# Altium PCB Isolation.PcbDoc
Units mm, origin at the board's own origin, x right, y up, seen from the top; angles counter-clockwise.
Board outline 100 x 100 mm, 2 copper layers (Top Layer, Bottom Layer); 11 components, 7 nets, 36 pads, 1 vias.
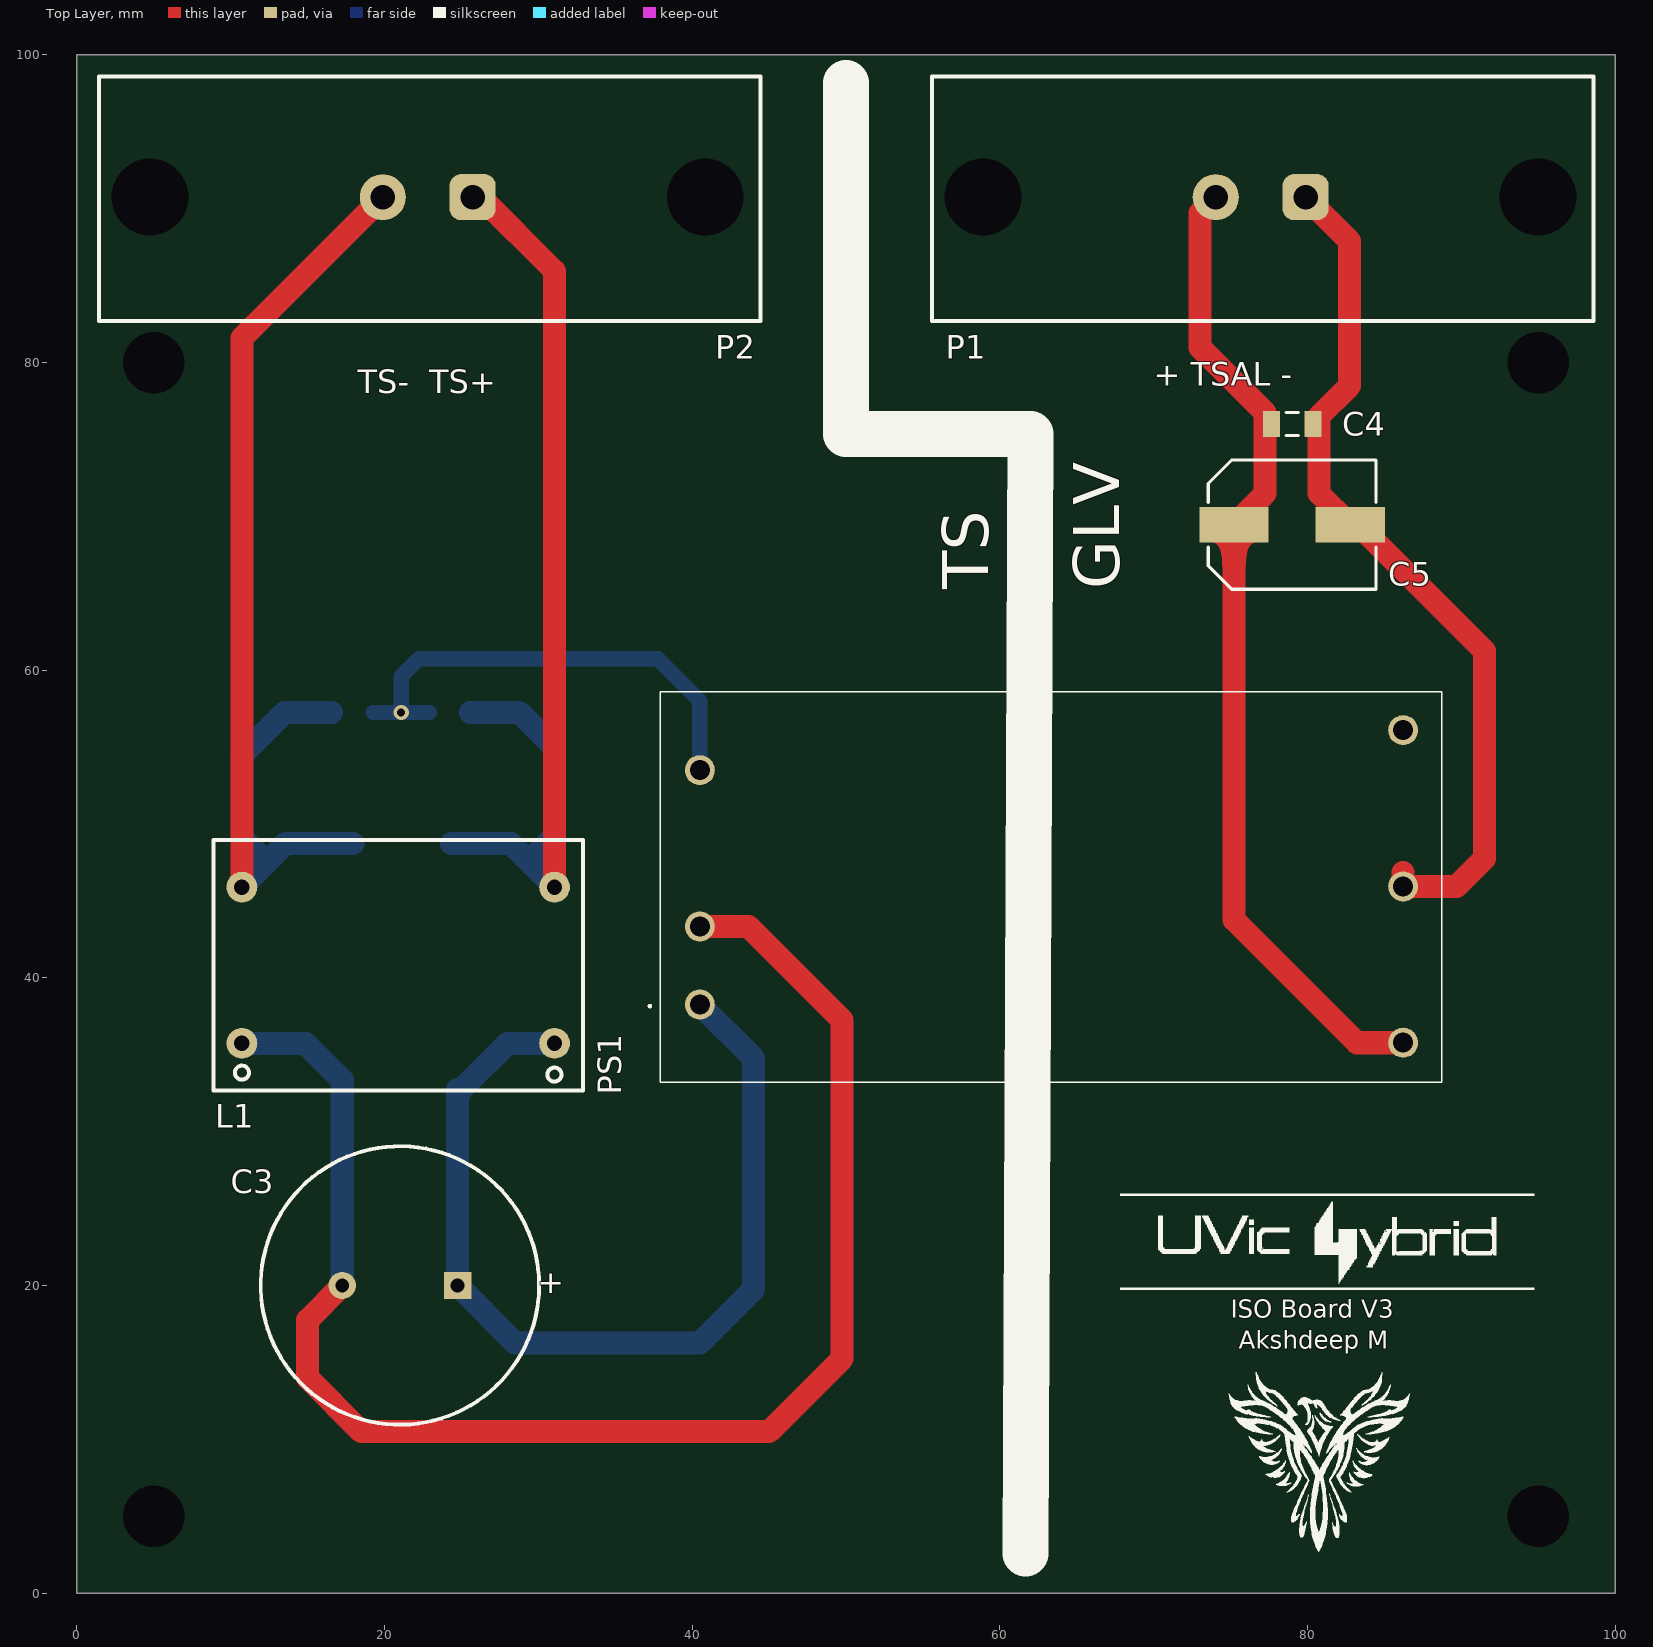
[diagram p0: Top Layer view]
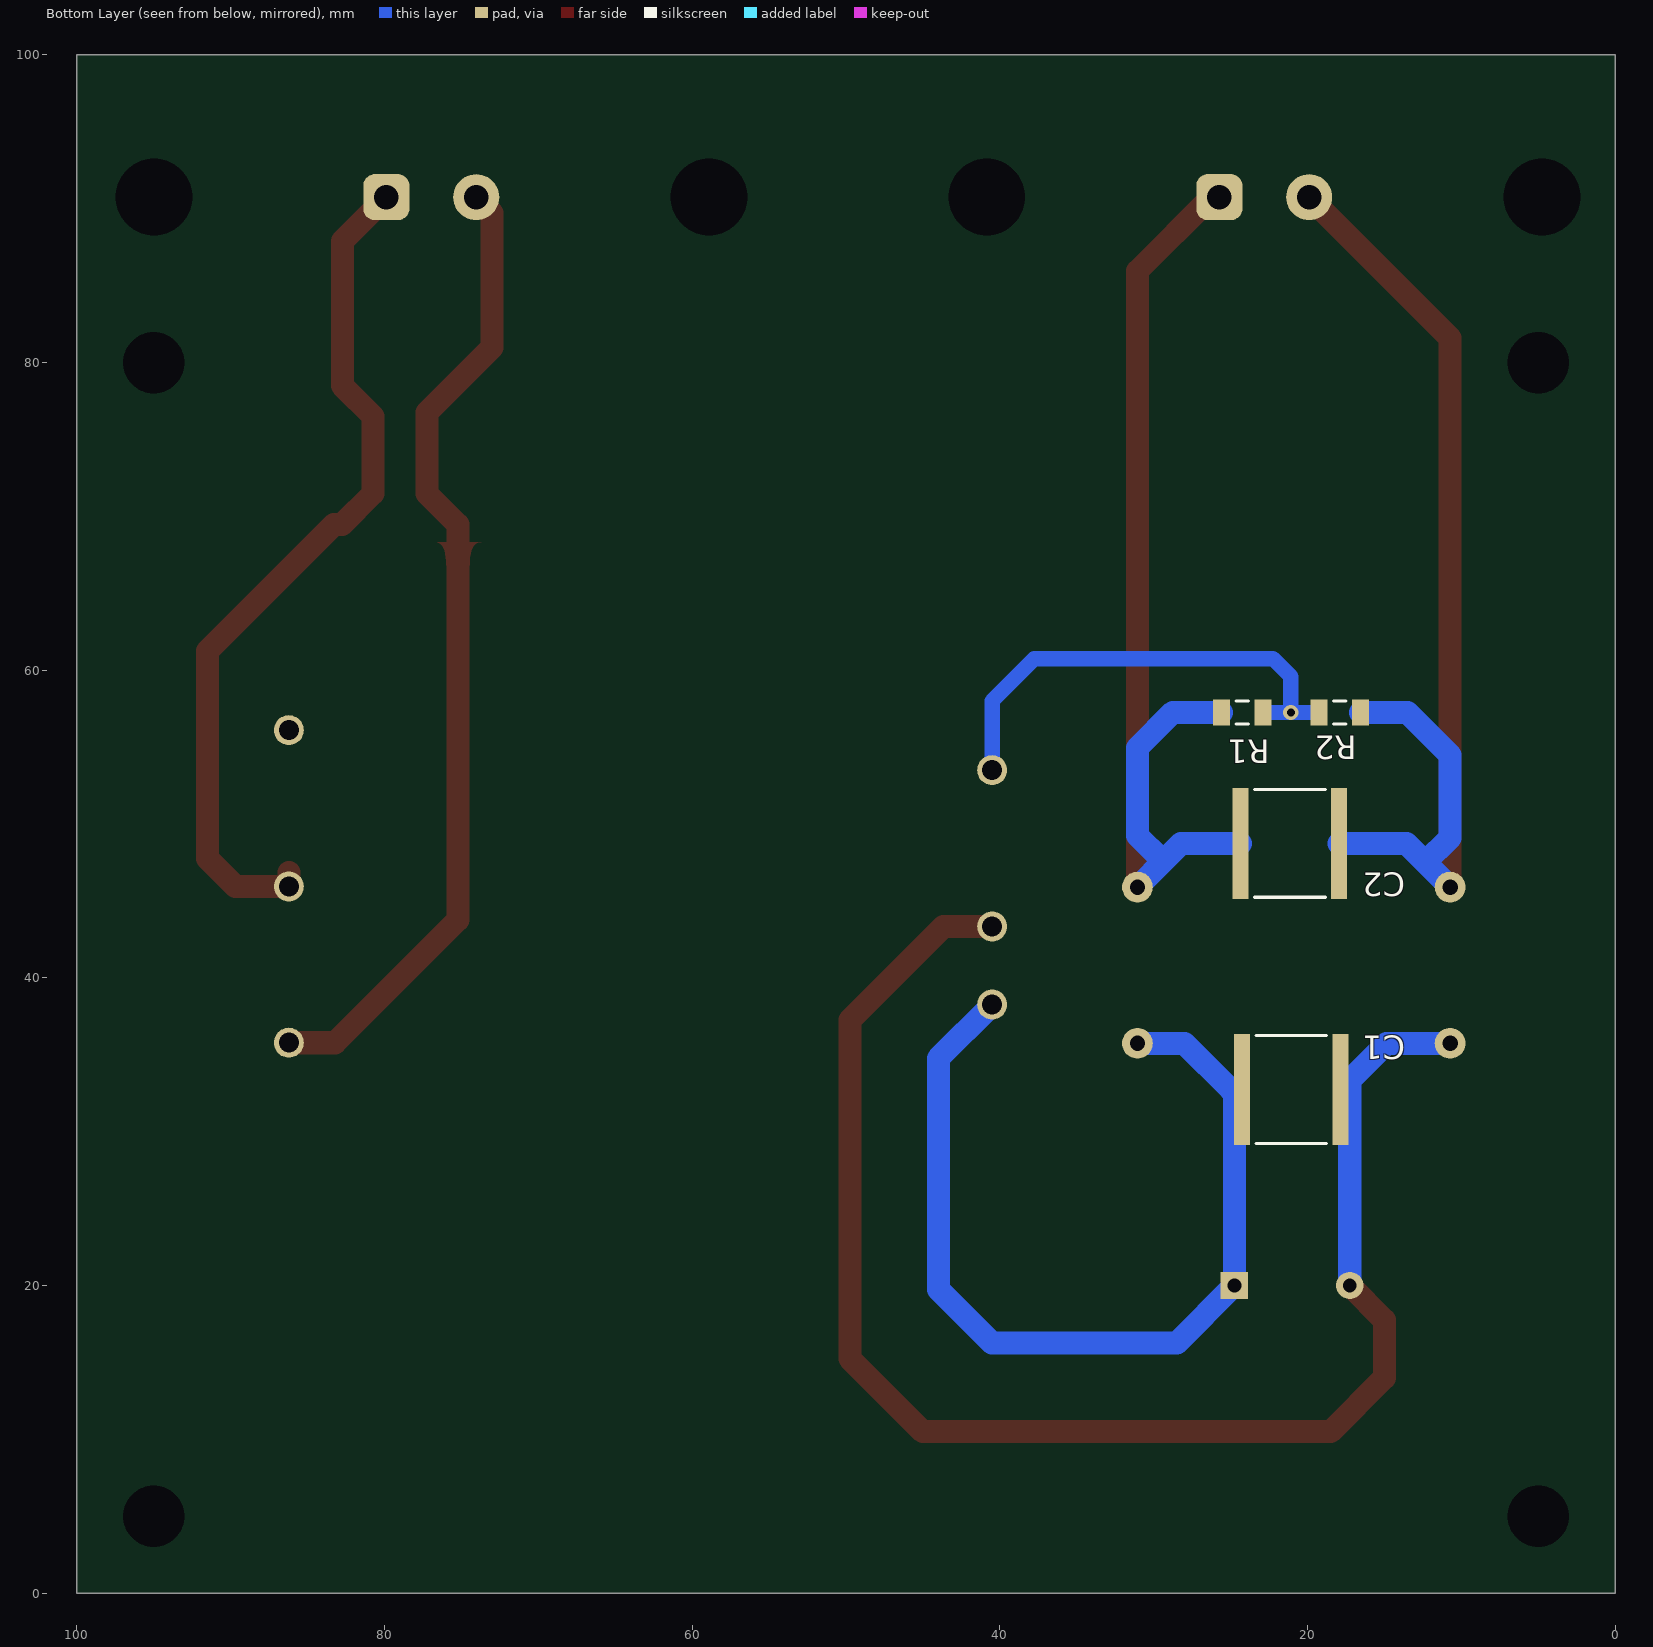
[diagram p1: Bottom Layer view, seen from below]
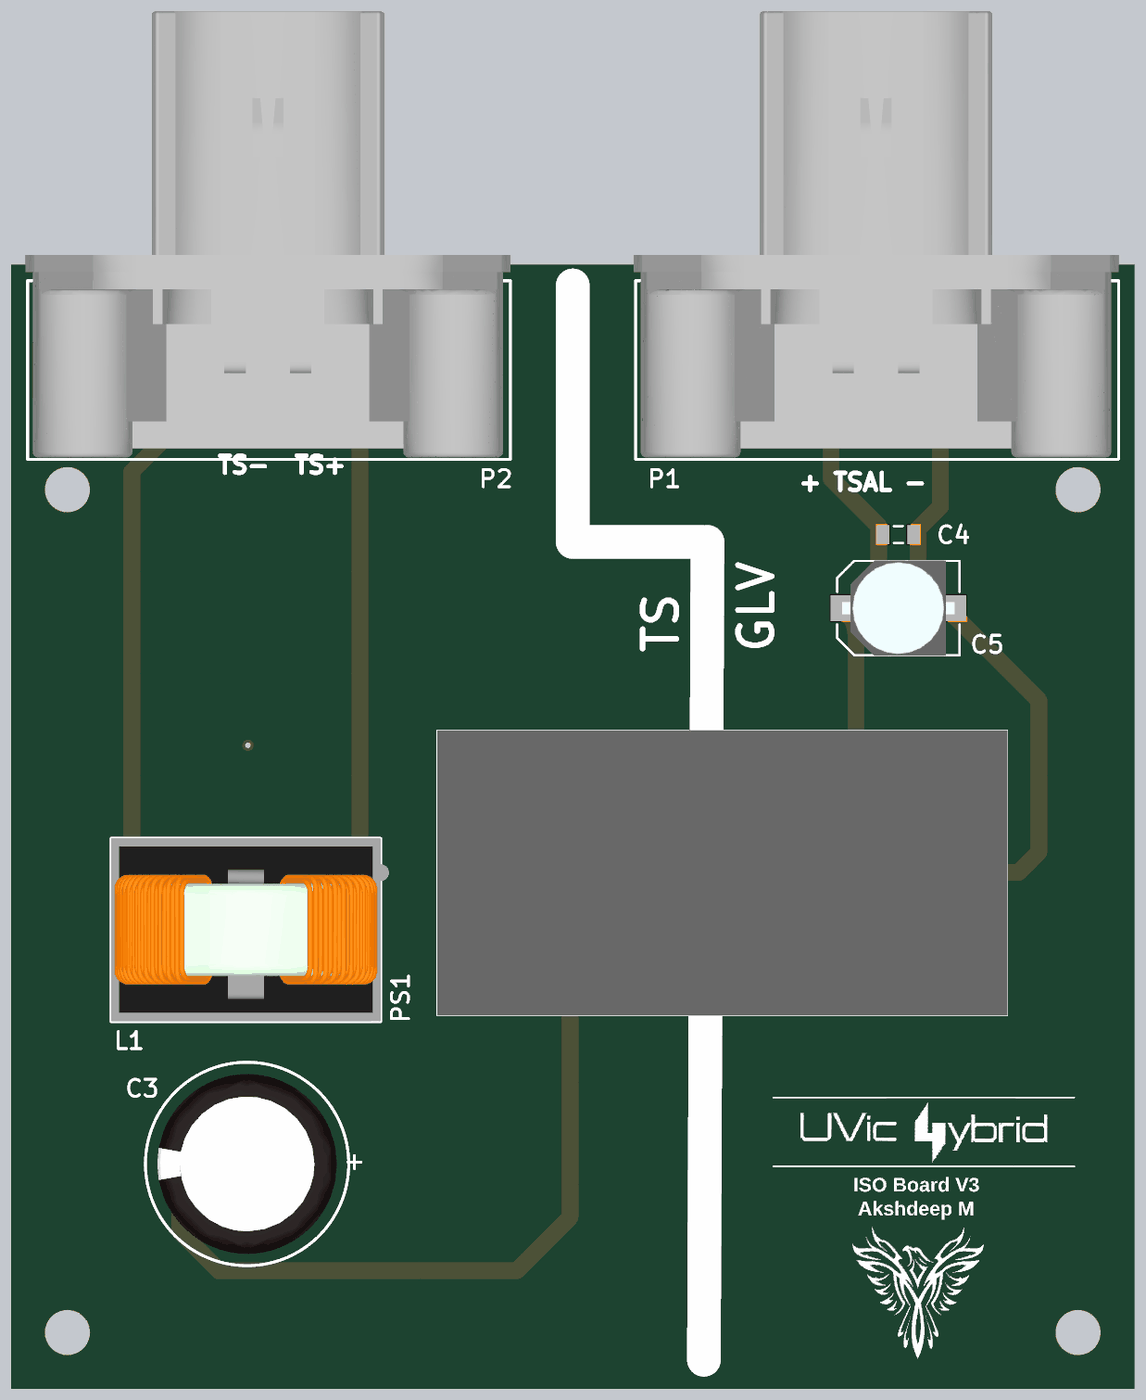
[diagram p2: 3D render of the assembled board from above, using the file's embedded part models]

## Layer stack, top to bottom
Top Solder: solder mask 0.0102, Solder Resist, Dk 3.5
Top Layer: signal copper 0.0356
Dielectric 1: dielectric 0.32, FR-4, Dk 4.8
Bottom Layer: signal copper 0.0356
Bottom Solder: solder mask 0.0102, Solder Resist, Dk 3.5

## Board outline
0,0 0,100 100,100 100,0

## Design rules (kind name [scope] priority, off if disabled: settings)
Clearance Clearance_2 [InNamedPolygon('GND TS') vs InNet('NetR9_2')] p1: gap=2.5 ignorepadtopadclearanceinfootprint=FALSE except(0: Arc-Arc Arc-Track Arc-SMDPad Track-Track Track-SMDPad SMDPad-SMDPad)
Clearance Clearance_1 [InNamedPolygon('GND TS') vs InNet('NetC3_1')] p2: gap=2.5 ignorepadtopadclearanceinfootprint=FALSE
Clearance [InNamedPolygon('GND TS') vs InNet('TS+')] p3: gap=2.5 ignorepadtopadclearanceinfootprint=FALSE
Clearance "Plane rule 1" [All] p4: gap=1.25 ignorepadtopadclearanceinfootprint=TRUE except(0: Arc-Hole Track-Hole THPad-Hole Via-Hole Fill-Hole Poly-Hole Region-Hole Text-Hole; 0.254: Arc-Text Track-Text SMDPad-Text THPad-Text Via-Text Fill-Text Poly-Text Region-Text Text-Text; 0.5: SMDPad-SMDPad SMDPad-THPad SMDPad-Via SMDPad-Hole)
Height [All] p1: minheight=0 maxheight=50 prefheight=12.7
HoleSize [All] p1: absolutevalues=TRUE maxlimit=4 minlimit=0.025 maxpercent=80.000 minpercent=20.000
PlaneClearance [All] p1: clearance=0.1
PlaneConnect [All] p1: planeconnectstyle=Relief reliefexpansion=1.5 reliefentries=4 reliefconductorwidth=1.5 reliefairgap=1.5
PolygonConnect PolygonConnect_1 [All vs InNet('GND')] p1: thpad.connectstyle=Direct thpad.reliefconductorwidth=0.254 thpad.reliefentries=4 thpad.polygonreliefangle="90 Angle" thpad.airgapwidth=0.254 smdpad.connectstyle=Direct smdpad.reliefconductorwidth=0.254 smdpad.reliefentries=4 smdpad.polygonreliefangle="90 Angle" smdpad.airgapwidth=0.254 via.connectstyle=Relief via.reliefconductorwidth=0.254 via.reliefentries=4 via.polygonreliefangle="90 Angle" via.airgapwidth=0.254
PolygonConnect [All] p2: connectstyle=NoConnect reliefconductorwidth=0.254 reliefentries=4 polygonreliefangle="90 Angle" airgapwidth=0.254
RoutingVias [All] p1: holewidth=0.5 width=2 viastyle="Through Hole" minholewidth=0.5 minwidth=1.5 maxholewidth=1 maxwidth=2.5
SilkToSolderMaskClearance [IsPad] p1: minsilkscreentomaskgap=0.2 clearancetoexposedcopper=TRUE
SolderMaskExpansion [All] p1: expansion=0.102
UnpouredPolygon [All] p1: allowunpoured=TRUE allowshelved=TRUE
Width [All] p1: maxlimit=2.5 minlimit=1 preferedwidth=1.5
24 further rules are at their usual default settings.

## Components (designator, comment, footprint, x,y, rotation, side; value= is the part's Value field where it differs from the comment)
C1 "C0603" "2225 Package" 21.05,32.74 r0 bottom value=1uF
C2 "C0603" "2225 Package" 21.143,48.74 r0 bottom value=1uF
C3 "100uF" NichiconCAP 21,20 r180 top
C4 "C0603" C1206 79,76 r180 top value=0.1uF
C5 "220uF" EEE-1VA221UP 79,69.46 r0 top
L1 "10mH" 52106C 10.73,35.74 r0 top
P1 "19427-0040" "MX150L 2pin" 55.6,82.698 r0 top
P2 "19427-0040" "MX150L 2pin" 1.45,82.698 r0 top
PS1 "EC7BW-110S12" EC7BW110S12 40.5,38.26 r90 top
R1 "20k" C1206 24.25,57.25 r0 bottom
R2 "20k" C1206 17.9,57.25 r0 bottom

## Footprints (in the part's own frame and the unit in brackets; to place one, negate y for a bottom-side part, rotate by r counter-clockwise, add the part's x,y. Pads: shape width x height; smd on the part's side, far side on the other; paste and mask are expansions set on the pad)
"2225 Package" [mm]
  rect 1.05x7.2 smd: 1(-3.2,0) 2(3.2,0)
  silkscreen extent -2.3,-3.5 2.3,3.5, body extent -2.67,-3.05 2.67,3.05, height 2.18
52106C [mm]
  round 2 hole 1: 1(0,0) 2(20.32,0) 3(20.32,10.16) 4(0,10.16)
  silkscreen extent -1.84,-3.07 22.16,13.23, body extent -1.83,-3.05 22.92,13.26, height 24.29
C1206 [mm]
  rect 1.1x1.7 smd: 1(-1.35,0) 2(1.35,0)
  silkscreen extent -0.4,-0.75 0.4,0.75, body extent -1.7,-0.9 1.7,0.9, height 1.3
EC7BW110S12 [mm]
  round 1.95 hole 1.3: 1(0,0) 2(5.08,0) 3(-2.48,-45.72) 4(17.84,-45.72) 5(7.68,-45.72) 6(15.24,0)
  silkscreen extent -5.06,-48.22 20.34,3.3, body extent -5.06,-48.22 20.34,2.58, height 10.7
EEE-1VA221UP [mm]
  rect 4.5x2.3 smd: 1(-3.775,0) 2(3.775,0)
  silkscreen extent -5.45,-4.2 5.45,4.2, body extent -5.01,-4.25 4.99,4.25, height 10.5
"MX150L 2pin" [mm] "19427-0040 MX150L 2pin"
  rrect50% 3x3 hole 1.6: 1(24.28,8.052)
  round 3 hole 1.6: 2(18.44,8.052)
  round 0 hole 5 unplated: 3(3.3,8.052) 3(39.4,8.052)
  silkscreen extent 0,0 43,15.9, body extent -0.18,0.17 43,39.83, height 30.2
NichiconCAP [mm]
  rect 1.778x1.778 hole 0.9: 1(-3.75,0)
  round 1.778 hole 0.9: 2(3.75,0)
  silkscreen extent -9.05,-9.05 9.05,9.05, body extent -8,-8 8,8, height 25.02

## Part data
C1 C2: library part C0603_1, "C0603C104K3RACTU", PackageDocument=Mar-2001, Supplier Part Number 1=720-1136-1-ND, Code_IPC="1608 [0603]", Code_JEITA=0603, ComponentLink1Description="Manufacturer Link", ComponentLink1URL=http://www.kemet.com/, ComponentLink2Description=Datasheet, ComponentLink2URL=http://www.kemet.com/kemet/web/homepage/kechome.nsf/vapubfilesname/F3102TA.pdf/$file/F3102TA.pdf, DatasheetDocument=Mar-2001, LatestRevisionDate=19-Mar-2004, LatestRevisionNote="Silkscreen size reduced.", Note="Footprint corresponds to dimensions for bulk cassette packaging. This case size has tightened tolerances.", PackageReference=0603, Published=17-Jul-2002, Publisher="Altium Limited"
C3: library part "Cap Pol1_1", "Nichicon 200V 100uF TH Capacitor  UCA2D101MHD6TN", Supplier Part Number 1=493-13261-1-ND
C4: "C0603C104K3RACTU", PackageDocument=Mar-2001, Supplier Part Number 1=720-1800-1-ND, Code_IPC="1608 [0603]", Code_JEITA=0603, ComponentLink1Description="Manufacturer Link", ComponentLink1URL=http://www.kemet.com/, ComponentLink2Description=Datasheet, ComponentLink2URL=http://www.kemet.com/kemet/web/homepage/kechome.nsf/vapubfilesname/F3102TA.pdf/$file/F3102TA.pdf, DatasheetDocument=Mar-2001, LatestRevisionDate=19-Mar-2004, LatestRevisionNote="Silkscreen size reduced.", Note="Footprint corresponds to dimensions for bulk cassette packaging. This case size has tightened tolerances.", PackageReference=0603, Published=17-Jul-2002, Publisher="Altium Limited"
C5: library part "Cap Pol1", "Panasonic Electrolytic 35V, 20% EEE-1VA221UP", Supplier Part Number 1=PCE3955CT-ND
L1: library part "Trans Ideal", "MuRata 52106C Common Choke", Supplier Part Number 1=811-1257-ND, Code_IEC=1005, Code_JEITA=0402, LatestRevisionDate=29-May-2009, LatestRevisionNote="IPC-7351 Footprint Added.", PackageDescription="Chip Inductor", PackageReference=0402-A, Published=8-Jun-2000, Publisher="Altium Limited"
P1 P2: library part "19427-0040 MX150L 2pin", "MX150L 2pin", Manufacturer_Name=Molex, Supplier Part Number 1=WM17504-ND, Manufacturer_Part_Number=19427-0040
PS1: "Power Supply", Manufacturer_Name=Cincon, Mouser Part Number=418-EC7BW-110S12, Datasheet Link=https://www.cincon.com/productdownload/SPEC-EC7BW-110-V13.pdf, Height=10.7mm, Manufacturer_Part_Number=EC7BW-110S12, Mouser Price/Stock=https://www.mouser.com/Search/Refine.aspx?Keyword=418-EC7BW-110S12
R1 R2: library part ERJ6EN, "Precision Thick Film Chip Resistor, 10 Ohm to 2.2M Ohm Range, 1% Tolerance, 0805 Size, 0.1 W", PackageDocument=Mar-2003, Supplier Part Number 1=541-20.0KUCT-ND, Code_IPC="2012 [0805]", ComponentLink1Description="Manufacturer Link", ComponentLink1URL=http://www.panasonic.com/industrial/components/resistive_products.htm, ComponentLink2Description=Datasheet, ComponentLink2URL=http://www.panasonic.com/industrial/components/pdf/AOA0000CE2.pdf, LatestRevisionDate=19-Mar-2004, LatestRevisionNote="Silkscreen size reduced.", PackageReference=6-0805, Published=17-Dec-2003, Publisher="Altium Limited"

## Free pads (board coordinates)
  round 0 hole 4: "Screw hole"(5,5) "screw hole"(5,80) "Screw hole"(95,5) "Screw hole"(95,80)

## Via types
v1: diameter 1, hole 0.5, Top Layer to Bottom Layer, tented both sides, 1 vias

## Nets (pads, with @x,y where several pads share a name; then routed paths per layer and width w, separated by ;. In a path a pad name is that pad's centre, name@x,y a point inside that pad or via, vN(x,y) a via of type N, cw(c..) or ccw(c..) an arc to the next point about the centre after c; other vN are vias at no path point)
GND: C4.1 C5.2 P1.1 PS1.5 | length 56.7
  Top Layer w1.5: P1.1 82.745,87.885 82.745,78.495 80.75,76.5 80.75,71.485 C5.2 83.29,69.46 91.5,61.25 91.5,47.75 89.69,45.94 PS1.5 PS1.5@86.22,46.84
NetC1_1: C1.1 C3.2 L1.1 PS1.2 | length 99.7
  Top Layer w1.5: C3.2 15,17.75 15,14 18.5,10.5 45,10.5 49.75,15.25 49.75,37.25 43.66,43.34 PS1.2
  Bottom Layer w1.5: L1.1 14.85,35.74 17.25,33.34 C3.2
NetC1_2: C1.2 C3.1 L1.2 PS1.1 | length 62.5
  Bottom Layer w1.5: L1.2 28,35.74 25,32.74 24.75,32.74 C3.1 28.5,16.25 40.5,16.25 44,19.75 44,34.76 PS1.1
NetPS1_6: PS1.6 R1.1 R2.2 | length 31.5
  Bottom Layer w1: R2.2 v1(21.075,57.25) ; R1.1 v1(21.075,57.25) ; PS1.6 40.5,58 37.75,60.75 22.25,60.75 21.075,59.575 v1(21.075,57.25)
TS+: C2.2 L1.3 P2.1 R1.2 | length 69.8
  Top Layer w1.5: P2.1 26.25,90.75 31.05,85.95 L1.3
  Bottom Layer w1.5: C2.2 28.21,48.74 29.25,47.7 ; R1.2 28.75,57.25 31.05,54.95 31.05,49.25 29.5,47.7 29.25,47.7 ; L1.3 29.25,47.7
TS-: C2.1 L1.4 P2.2 R2.1 | length 71.6
  Top Layer w1.5: L1.4 10.73,81.59 P2.2
  Bottom Layer w1.5: L1.4 12.33,47.5 ; R2.1 13.5,57.25 10.73,54.48 10.73,49.1 12.33,47.5 ; C2.1 13.57,48.74 12.33,47.5
"TSVP 12V": C4.2 C5.1 P1.2 PS1.3 | length 64.3
  Top Layer w1.5: P1.2 73.01,89.72 73.01,80.99 77.25,76.75 77.25,71.485 C5.1 75.225,43.775 83.22,35.78 PS1.3
pads on no net: P1.3 P2.3 PS1.4

## Silkscreen, mask and mechanical layers (free items; w line width, h text height)
Top Overlay:
  drawing of 40 lines, arcs and shapes, not listed
  text "+ TSAL -" at 70,78.5 h1.52
  text "TS-  TS+" at 18.25,78 h1.52
  text "TS" at 59.25,65.25 h3 r90
  text "GLV" at 67.75,65.25 h3 r90
  text "ISO Board V3 /  Akshdeep M" at 75.017,15.5 h2
Bottom Overlay:
Mechanical 1:
  the board outline again, w0.254

## Text inside footprints (layer, text, board x,y; h text height)
C3: Top Overlay "+" at 31.668,20.762 h1.52 r180